# KiCad board tiddlywink.kicad_pcb
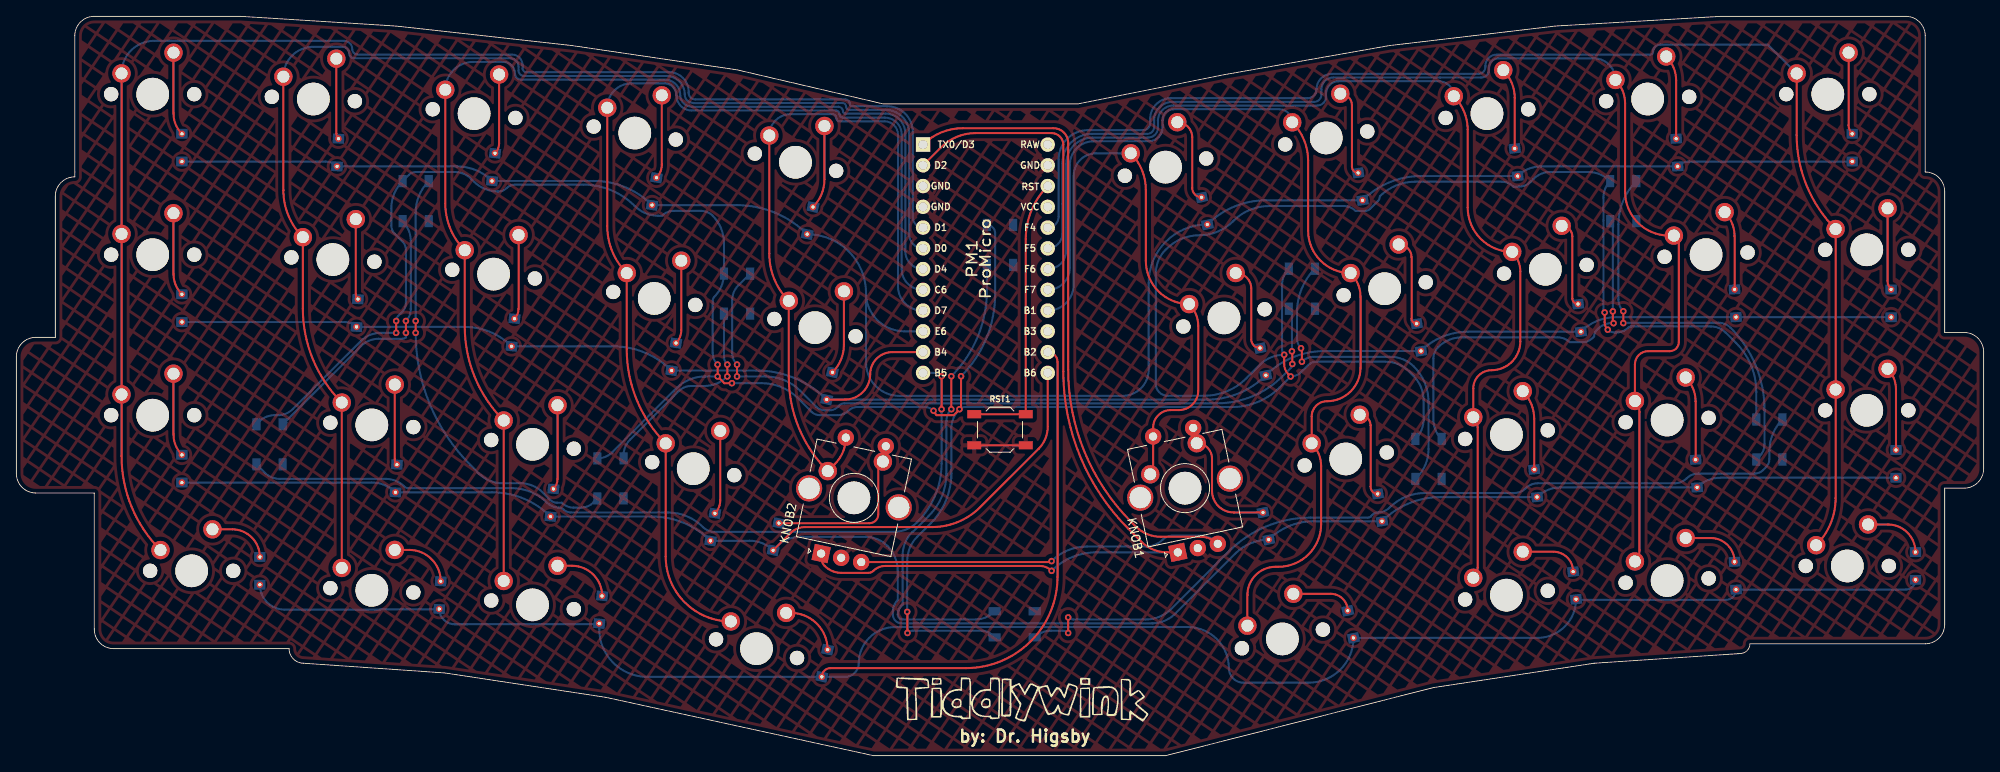
[diagram p0: board, top side]
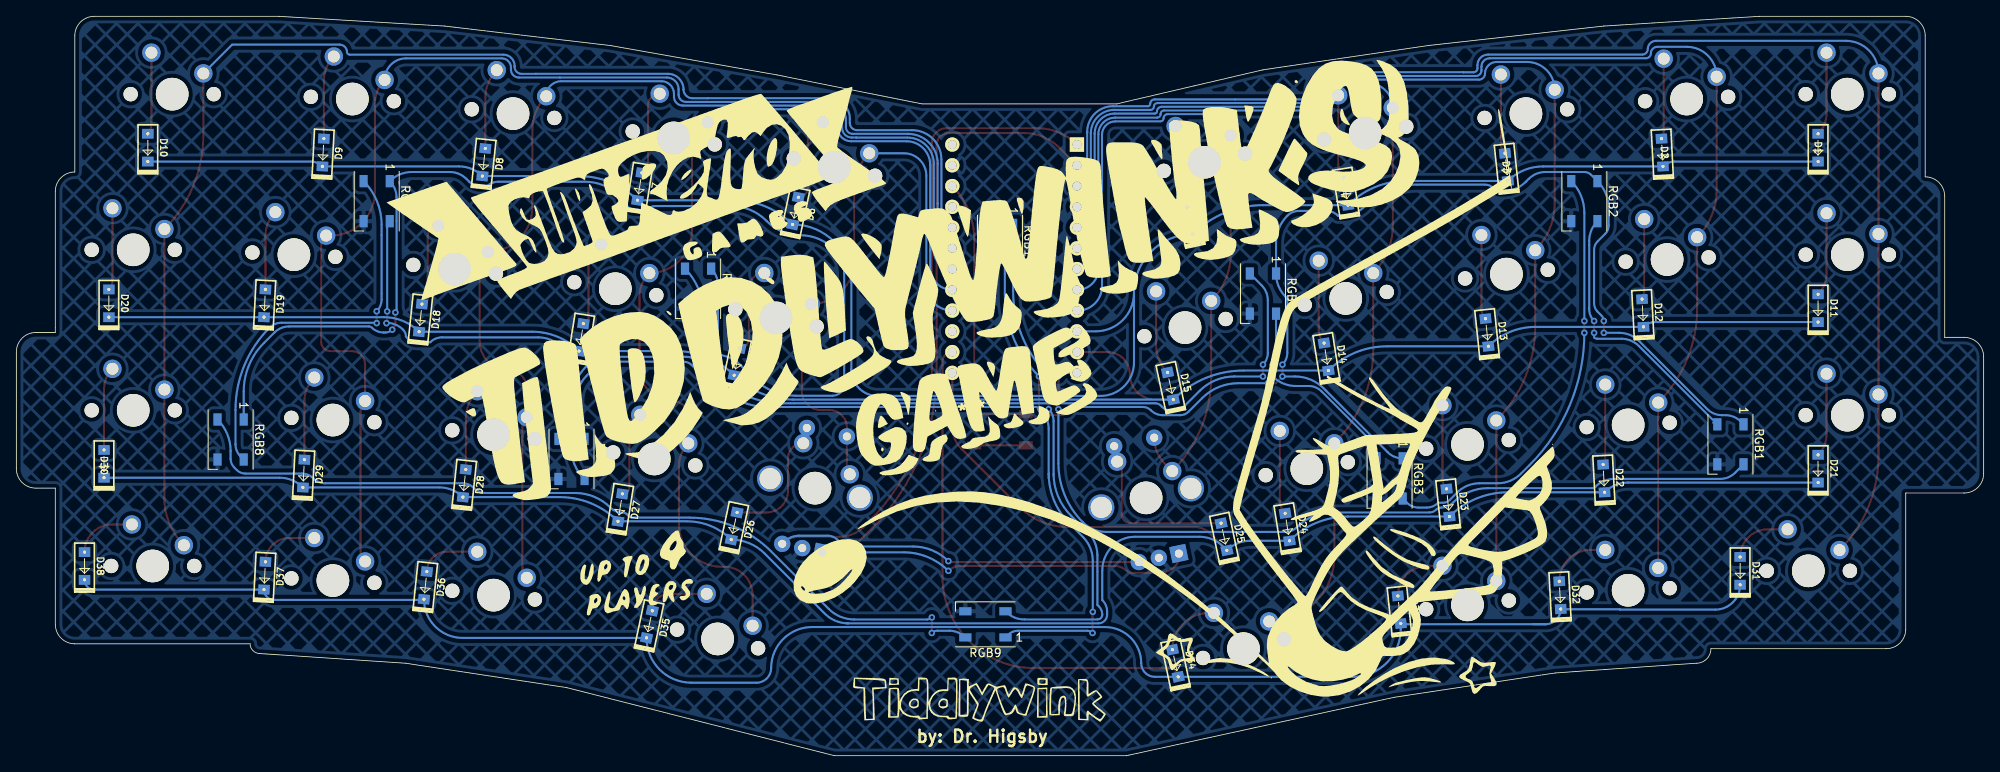
[diagram p1: board, bottom side, seen from below]

Outline 240.51 x 90.49 mm; copper layers: Top, Bottom. Coordinates in mm from the lower left corner of the outline.
Outline path: 0,48.82 0,34.53 arc(0.7,32.84) 2.38,32.15 9.53,32.15 9.53,15.48 arc(10.22,13.79) 11.91,13.1 33.34,13.1 arc(33.86,11.83) 35.12,11.31 52.39,10.12 72.03,7.14 104.78,0 140.49,0 173.24,8.33 192.88,11.31 210.74,12.5 arc(211.58,12.85) 211.93,13.69 233.36,13.69 arc(235.05,14.39) 235.74,16.07 235.74,32.74 238.13,32.74 arc(239.81,33.44) 240.51,35.12 240.51,49.41 arc(239.81,51.09) 238.13,51.79 235.74,51.79 235.74,69.06 arc(235.05,70.74) 233.36,71.44 233.36,88.11 arc(232.67,89.79) 230.98,90.49 208.36,90.49 188.12,89.3 167.88,86.92 147.64,83.34 129.78,79.77 105.97,79.77 88.11,83.94 67.87,86.92 46.43,89.3 27.38,90.49 9.53,90.49 arc(7.84,89.79) 7.14,88.11 7.14,70.84 arc(5.46,70.14) 4.76,68.46 4.76,51.2 2.38,51.2 arc(0.7,50.5) 0,48.82

## Placement (name value [footprint] x y rotation side)
   LOGO  [tiddlytext]  122.92 6.96 0 top
 #2  LOGO  [tiddlytext]  122.81 6.95 180 bottom
D1  D_Small  [D_SOD123_via]  20.24 74.41 90 bottom
D2  D_Small  [D_SOD123_via]  39.29 73.82 87 bottom
D3  D_Small  [D_SOD123_via]  58.34 72.03 84 bottom
D4  D_Small  [D_SOD123_via]  77.99 69.06 81 bottom
D5  D_Small  [D_SOD123_via]  97.04 65.48 78 bottom
D6  D_Small  [D_SOD123_via]  145.26 66.68 102 bottom
D7  D_Small  [D_SOD123_via]  164.31 69.65 99 bottom
D8  D_Small  [D_SOD123_via]  183.36 72.63 96 bottom
D9  D_Small  [D_SOD123_via]  203 73.82 93 bottom
D10  D_Small  [D_SOD123_via]  224.43 74.41 90 bottom
D11  D_Small  [D_SOD123_via]  20.24 54.77 90 bottom
D12  D_Small  [D_SOD123_via]  41.67 54.17 87 bottom
D13  D_Small  [D_SOD123_via]  60.72 51.79 84 bottom
D14  D_Small  [D_SOD123_via]  80.37 48.82 81 bottom
D15  D_Small  [D_SOD123_via]  99.42 45.24 78 bottom
D16  D_Small  [D_SOD123_via]  152.4 48.22 102 bottom
D17  D_Small  [D_SOD123_via]  171.45 51.2 99 bottom
D18  D_Small  [D_SOD123_via]  191.1 53.58 96 bottom
D19  D_Small  [D_SOD123_via]  210.15 55.36 93 bottom
D20  D_Small  [D_SOD123_via]  229.2 55.36 90 bottom
D21  D_Small  [D_SOD123_via]  20.24 35.12 90 bottom
D22  D_Small  [D_SOD123_via]  46.43 33.93 87 bottom
D23  D_Small  [D_SOD123_via]  65.48 30.96 84 bottom
D24  D_Small  [D_SOD123_via]  85.13 27.98 81 bottom
D25  D_Small  [D_SOD123_via]  92.87 26.79 78 bottom
D26  D_Small  [D_SOD123_via]  152.75 28.1 102 bottom
D27  D_Small  [D_SOD123_via]  166.69 30.36 99 bottom
D28  D_Small  [D_SOD123_via]  185.74 33.34 96 bottom
D29  D_Small  [D_SOD123_via]  205.38 34.53 93 bottom
D30  D_Small  [D_SOD123_via]  229.79 35.72 90 bottom
D31  D_Small  [D_SOD123_via]  29.77 22.62 90 bottom
D32  D_Small  [D_SOD123_via]  51.79 19.65 87 bottom
D33  D_Small  [D_SOD123_via]  71.44 17.86 84 bottom
D34  D_Small  [D_SOD123_via]  98.82 11.31 78 bottom
D35  D_Small  [D_SOD123_via]  163.12 16.07 102 bottom
D36  D_Small  [D_SOD123_via]  190.5 20.84 96 bottom
D37  D_Small  [D_SOD123_via]  210.15 22.03 93 bottom
D38  D_Small  [D_SOD123_via]  232.17 23.22 90 bottom
G***  LOGO  [tiddly2]  124.42 42.27 171 bottom
KNOB1  RotaryEncoder_Switch  [RotaryEncoder_Alps_EC11E-Switch_Vertical_H20mm_CircularMountingHoles]  142.88 32.74 102 top
KNOB2  RotaryEncoder_Switch  [RotaryEncoder_Alps_EC11E-Switch_Vertical_H20mm_CircularMountingHoles]  102.39 31.55 78 top
MX1  MX-NoLED  [MXOnly-1U-NoLED]  16.67 80.96 0 top
MX2  MX-NoLED  [MXOnly-1U-NoLED]  36.31 80.37 357 top
MX3  MX-NoLED  [MXOnly-1U-NoLED]  55.96 78.58 354 top
MX4  MX-NoLED  [MXOnly-1U-NoLED]  75.6 76.2 351 top
MX5  MX-NoLED  [MXOnly-1U-NoLED]  95.25 72.63 348 top
MX6  MX-NoLED  [MXOnly-1U-NoLED]  140.49 72.03 12 top
MX7  MX-NoLED  [MXOnly-1U-NoLED]  160.14 75.6 9 top
MX8  MX-NoLED  [MXOnly-1U-NoLED]  179.78 78.58 6 top
MX9  MX-NoLED  [MXOnly-1U-NoLED]  199.43 80.37 3 top
MX10  MX-NoLED  [MXOnly-1.25U-NoLED]  221.46 80.96 0 top
MX11  MX-NoLED  [MXOnly-1.25U-NoLED]  16.67 61.32 0 top
MX12  MX-NoLED  [MXOnly-1U-NoLED]  38.7 60.72 357 top
MX13  MX-NoLED  [MXOnly-1U-NoLED]  58.34 58.94 354 top
MX14  MX-NoLED  [MXOnly-1U-NoLED]  77.99 55.96 351 top
MX15  MX-NoLED  [MXOnly-1U-NoLED]  97.63 52.39 348 top
MX16  MX-NoLED  [MXOnly-1U-NoLED]  147.64 53.58 12 top
MX17  MX-NoLED  [MXOnly-1U-NoLED]  167.28 57.15 9 top
MX18  MX-NoLED  [MXOnly-1U-NoLED]  186.93 59.53 6 top
MX19  MX-NoLED  [MXOnly-1U-NoLED]  206.57 61.32 3 top
MX20  MX-NoLED  [MXOnly-1U-NoLED]  226.22 61.91 0 top
MX21  MX-NoLED  [MXOnly-1.75U-NoLED]  16.67 41.67 0 top
MX22  MX-NoLED  [MXOnly-1U-NoLED]  43.46 40.48 357 top
MX23  MX-NoLED  [MXOnly-1U-NoLED]  63.1 38.1 354 top
MX24  MX-NoLED  [MXOnly-1U-NoLED]  82.75 35.12 351 top
MX25  MX-NoLED  [MXOnly-1U-NoLED#2]  102.39 31.55 348 top
MX26  MX-NoLED  [MXOnly-1U-NoLED#2]  142.88 32.74 12 top
MX27  MX-NoLED  [MXOnly-1U-NoLED]  162.52 36.31 9 top
MX28  MX-NoLED  [MXOnly-1U-NoLED]  182.17 39.29 6 top
MX29  MX-NoLED  [MXOnly-1U-NoLED]  201.81 41.08 3 top
MX30  MX-NoLED  [MXOnly-1.5U-NoLED]  226.22 42.27 0 top
MX31  MX-NoLED  [MXOnly-1.25U-NoLED]  21.43 22.62 0 top
MX32  MX-NoLED  [MXOnly-1U-NoLED]  43.46 20.24 357 top
MX33  MX-NoLED  [MXOnly-1U-NoLED]  63.1 18.45 354 top
MX34  MX-NoLED  [MXOnly-1.75U-NoLED]  90.49 13.1 347 top
MX35  MX-NoLED  [MXOnly-1.75U-NoLED]  154.78 14.29 13 top
MX36  MX-NoLED  [MXOnly-1U-NoLED]  182.17 19.65 6 top
MX37  MX-NoLED  [MXOnly-1U-NoLED]  201.81 21.43 3 top
MX38  MX-NoLED  [MXOnly-1.25U-NoLED]  223.84 23.22 0 top
PM1  ProMicro  [ArduinoProMicro]  118.47 60.82 270 top
RGB1  WS2812B  [LED_WS2812B_PLCC4_5.0x5.0mm_P3.2mm]  30.96 38.1 270 bottom
RGB2  WS2812B  [LED_WS2812B_PLCC4_5.0x5.0mm_P3.2mm]  48.82 67.87 270 bottom
RGB3  WS2812B  [LED_WS2812B_PLCC4_5.0x5.0mm_P3.2mm]  72.63 33.93 270 bottom
RGB4  WS2812B  [LED_WS2812B_PLCC4_5.0x5.0mm_P3.2mm]  88.11 56.55 270 bottom
RGB5  WS2812B  [LED_WS2812B_PLCC4_5.0x5.0mm_P3.2mm]  157.16 57.15 270 bottom
RGB6  WS2812B  [LED_WS2812B_PLCC4_5.0x5.0mm_P3.2mm]  172.64 36.31 270 bottom
RGB7  WS2812B  [LED_WS2812B_PLCC4_5.0x5.0mm_P3.2mm]  196.45 67.87 270 bottom
RGB8  WS2812B  [LED_WS2812B_PLCC4_5.0x5.0mm_P3.2mm]  214.31 38.7 270 bottom
RGB9  WS2812B  [LED_WS2812B_PLCC4_5.0x5.0mm_P3.2mm]  122.04 16.07 0 bottom
RGB10  WS2812B  [LED_WS2812B_PLCC4_5.0x5.0mm_P3.2mm]  120.25 62.51 270 bottom
RST1  SW_Push  [SW_SPST_TL3342]  120.25 39.89 0 top

## Library data of the parts
PM1 = -: Field4: D4; Field5: F4; Field6: D1; Field7: B6; Field8: B2; Field9: GND; Field10: D0; Field11: F7; Field12: RAW; Field13: B4; Field14: B3; Field15: ST; Field16: F5; Field17: VCC; Field18: D2; Field19: D7; Field20: E6; Field21: F6; Field22: GND; Field23: C6; Field24: RST; Field25: GND; Field26: B1; Field27: B5; Field28: TX0/D3

## Footprints (pads in the part's own frame, mm; a bottom-side part is the same pattern mirrored in y, then rotated)
ArduinoProMicro
  rect 1.753x1.753 hole 1.092: 1(-13.97,-7.62)
  round 1.753 hole 1.092: 2(-11.43,-7.62) 3(-8.89,-7.62) 4(-6.35,-7.62) 5(-3.81,-7.62) 6(-1.27,-7.62) 7(1.27,-7.62) 8(3.81,-7.62) 9(6.35,-7.62) 10(8.89,-7.62) 11(11.43,-7.62) 12(13.97,-7.62) 13(13.97,7.62) 14(11.43,7.62) 15(8.89,7.62) 16(6.35,7.62) 17(3.81,7.62) 18(1.27,7.62) 19(-1.27,7.62) 20(-3.81,7.62) 21(-6.35,7.62) 22(-8.89,7.62) 23(-11.43,7.62) 24(-13.97,7.62)
D_SOD123_via
  round 0.8 hole 0.4: 1(-1.7,0) 2(1.7,0)
  rect 1.2x1.4 smd: 1(-1.7,0) 2(1.7,0)
LED_WS2812B_PLCC4_5.0x5.0mm_P3.2mm
  rect 1.5x1 smd: 1(-2.45,1.6) 2(-2.45,-1.6) 3(2.45,-1.6) 4(2.45,1.6)
MXOnly-1.5U-NoLED
  round 1.75 hole 1.75 unplated: (-5.08,0) (5.08,0)
  round 3.988 hole 3.988 unplated: (0,0)
  round 2.25 hole 1.47: 1(-3.81,2.54) 2(2.54,5.08)
MXOnly-1.25U-NoLED
  round 1.75 hole 1.75 unplated: (-5.08,0) (5.08,0)
  round 3.988 hole 3.988 unplated: (0,0)
  round 2.25 hole 1.47: 1(-3.81,2.54) 2(2.54,5.08)
MXOnly-1.75U-NoLED
  round 1.75 hole 1.75 unplated: (-5.08,0) (5.08,0)
  round 3.988 hole 3.988 unplated: (0,0)
  round 2.25 hole 1.47: 1(-3.81,2.54) 2(2.54,5.08)
MXOnly-1U-NoLED
  round 1.75 hole 1.75 unplated: (-5.08,0) (5.08,0)
  round 3.988 hole 3.988 unplated: (0,0)
  round 2.25 hole 1.47: 1(-3.81,2.54) 2(2.54,5.08)
MXOnly-1U-NoLED#2
  round 3.988 hole 3.988 unplated: (0,0)
  round 2.25 hole 1.47: 1(-3.81,2.54) 2(2.54,5.08)
RotaryEncoder_Alps_EC11E-Switch_Vertical_H20mm_CircularMountingHoles
  rect 2x2 hole 1: A(-7.5,2.5)
  round 2 hole 1: B(-7.5,-2.5) C(-7.5,0) S1(7,-2.5) S2(7,2.5)
  round 3.2 hole 2.6: MP(0,5.6) MP(0,-5.6)
SW_SPST_TL3342
  rect 1.7x1 smd: 1(-3.15,1.9) 1(3.15,1.9) 2(-3.15,-1.9) 2(3.15,-1.9)

## Nets
+5V: RGB1.1 RGB2.1 RGB3.1 RGB4.1 RGB5.1 RGB6.1 RGB7.1 RGB8.1 RGB9.1 RGB10.1
GND: KNOB1.C KNOB2.C PM1.3 PM1.4 PM1.23 RGB1.3 RGB2.3 RGB3.3 RGB4.3 RGB5.3 RGB6.3 RGB7.3 RGB8.3 RGB9.3 RGB10.3 RST1.2
VCC: PM1.21
c1: MX1.1 MX11.1 MX21.1 MX31.1 PM1.5
c2: MX2.1 MX12.1 MX22.1 MX32.1 PM1.6
c3: MX3.1 MX13.1 MX23.1 MX33.1 PM1.7
c4: MX4.1 MX14.1 MX24.1 MX34.1 PM1.8
c5: KNOB2.S2 MX5.1 MX15.1 MX25.1 PM1.9
c6: KNOB1.S2 MX6.1 MX16.1 MX26.1 PM1.16
c7: MX7.1 MX17.1 MX27.1 MX35.1 PM1.17
c8: MX8.1 MX18.1 MX28.1 MX36.1 PM1.18
c9: MX9.1 MX19.1 MX29.1 MX37.1 PM1.19
c10: MX10.1 MX20.1 MX30.1 MX38.1 PM1.20
PM1: KNOB1.A KNOB2.A PM1.2
PM2: KNOB1.B KNOB2.B PM1.1
r1: D1.1 D2.1 D3.1 D4.1 D5.1 D6.1 D7.1 D8.1 D9.1 D10.1 PM1.10
r2: D11.1 D12.1 D13.1 D14.1 D15.1 D16.1 D17.1 D18.1 D19.1 D20.1 PM1.11
r3: D21.1 D22.1 D23.1 D24.1 D25.1 D26.1 D27.1 D28.1 D29.1 D30.1 PM1.13
r4: D31.1 D32.1 D33.1 D34.1 D35.1 D36.1 D37.1 D38.1 PM1.14
RGB: PM1.12 RGB1.4
RST: PM1.22 RST1.1
Net-(D1-Pad2): D1.2 MX1.2
Net-(D2-Pad2): D2.2 MX2.2
Net-(D3-Pad2): D3.2 MX3.2
Net-(D4-Pad2): D4.2 MX4.2
Net-(D5-Pad2): D5.2 MX5.2
Net-(D6-Pad2): D6.2 MX6.2
Net-(D7-Pad2): D7.2 MX7.2
Net-(D8-Pad2): D8.2 MX8.2
Net-(D9-Pad2): D9.2 MX9.2
Net-(D10-Pad2): D10.2 MX10.2
Net-(D11-Pad2): D11.2 MX11.2
Net-(D12-Pad2): D12.2 MX12.2
Net-(D13-Pad2): D13.2 MX13.2
Net-(D14-Pad2): D14.2 MX14.2
Net-(D15-Pad2): D15.2 MX15.2
Net-(D16-Pad2): D16.2 MX16.2
Net-(D17-Pad2): D17.2 MX17.2
Net-(D18-Pad2): D18.2 MX18.2
Net-(D19-Pad2): D19.2 MX19.2
Net-(D20-Pad2): D20.2 MX20.2
Net-(D21-Pad2): D21.2 MX21.2
Net-(D22-Pad2): D22.2 MX22.2
Net-(D23-Pad2): D23.2 MX23.2
Net-(D24-Pad2): D24.2 MX24.2
Net-(D25-Pad2): D25.2 KNOB2.S1 MX25.2
Net-(D26-Pad2): D26.2 KNOB1.S1 MX26.2
Net-(D27-Pad2): D27.2 MX27.2
Net-(D28-Pad2): D28.2 MX28.2
Net-(D29-Pad2): D29.2 MX29.2
Net-(D30-Pad2): D30.2 MX30.2
Net-(D32-Pad2): D32.2 MX32.2
Net-(D33-Pad2): D33.2 MX33.2
Net-(D34-Pad2): D34.2 MX34.2
Net-(D35-Pad2): D35.2 MX35.2
Net-(D36-Pad2): D36.2 MX36.2
Net-(D37-Pad2): D37.2 MX37.2
Net-(MX31-Pad2): D31.2 MX31.2
Net-(MX38-Pad2): D38.2 MX38.2
Net-(RGB1-Pad2): RGB1.2 RGB2.4
Net-(RGB2-Pad2): RGB2.2 RGB3.4
Net-(RGB3-Pad2): RGB3.2 RGB4.4
Net-(RGB4-Pad2): RGB4.2 RGB5.4
Net-(RGB5-Pad2): RGB5.2 RGB6.4
Net-(RGB6-Pad2): RGB6.2 RGB7.4
Net-(RGB7-Pad2): RGB7.2 RGB8.4
Net-(RGB8-Pad2): RGB8.2 RGB9.4
Net-(RGB10-Pad4): RGB9.2 RGB10.4

Pads without a net: KNOB1 MP; KNOB2 MP; PM1 15 24; RGB10 2

## Via types
v1: diameter 0.8, hole 0.4, Top to Bottom, 38 vias

## Routing (per net, layer and track width the routed paths; a pad name or vN(x,y) marks a point on that pad's centre or on a via; arc(x,y) is an arc through that point)
+5V: length 438.5
  Top w0.25: v1(87.48,45.59) 86.55,45.59 v1(85.73,46.41) v1(85.73,47.86) ; v1(155.78,46.41) 155.5,46.7 arc(155.13,47.26) 155,47.91 v1(155,49.07) ; v1(46.43,51.75) v1(46.43,53.2) ; v1(112.13,42.22) 112.03,42.22 arc(111.97,42.23) 111.92,42.27 112.51,41.68 114.6,41.68 115.3,42.38 v1(115.3,42.4) arc(115.44,42.61) 115.49,42.86 v1(115.49,46.43) ; v1(194.17,54.25) 194.17,53.06 arc(194.27,52.56) v1(194.55,52.14) ; v1(108.94,15.02) 108.94,17.53 arc(108.93,17.57) v1(108.91,17.61)
  Bottom w0.25: 114.3,34.53 114.3,33.93 ; 114.3,34.53 114.3,39.99 arc(114.56,41.29) v1(115.3,42.4) arc(115.6,42.6) 115.96,42.68 142.69,42.68 ; 114.3,34.53 arc(113.64,31.23) 111.77,28.43 110.13,26.79 arc(109.23,25.43) 108.91,23.84 v1(108.91,17.61) ; v1(46.43,51.75) 44.54,51.75 arc(43.23,51.49) 42.12,50.75 33.79,42.41 arc(32.96,41.86) 31.99,41.67 31.55,41.67 arc(30.56,41.47) 29.72,40.91 RGB1.1 ; 142.69,42.68 143.06,42.68 ; 142.69,42.68 142.69,42.67 148.65,42.67 arc(151.79,43.3) 154.44,45.07 v1(155.78,46.41) arc(156.49,46.55) 157.08,46.95 157.93,47.8 arc(158.4,48.11) 158.95,48.22 167.39,48.22 arc(168.94,47.91) 170.26,47.03 170.78,46.51 arc(171.72,45.11) 172.05,43.46 172.05,41.19 arc(171.78,39.88) RGB6.1 ; RGB8.1 212.71,44.55 arc(212.07,47.77) 210.25,50.5 208.95,51.79 arc(208.13,52.34) 207.17,52.53 197.4,52.53 arc(197.21,52.5) 197.05,52.39 arc(196.39,51.95) 195.61,51.79 195.38,51.79 arc(194.93,51.88) v1(194.55,52.14) ; 160.73,67.27 162.27,67.27 arc(163.05,67.12) 163.71,66.68 164.9,66.68 arc(165.22,66.74) 165.5,66.92 166.44,67.87 arc(166.62,68.14) 166.69,68.46 arc(168.67,69.78) 171,70.25 181.57,70.25 arc(182.35,70.09) 183.01,69.65 183.71,69.65 arc(184.48,69.81) 185.14,70.25 185.49,70.6 arc(186.42,71.22) 187.52,71.44 192.14,71.44 arc(193.61,71.15) RGB7.1 arc(194.24,69.4) 194.03,68.33 194.03,54.59 arc(194.07,54.4) v1(194.17,54.25) ; 160.73,67.27 159.79,67.27 ; 160.73,67.27 153.14,67.27 arc(150.81,66.81) 148.83,65.48 148.73,65.38 arc(146.86,64.14) 144.66,63.7 arc(142.46,63.26) 140.6,62.01 140.49,61.91 arc(139.61,60.59) 139.3,59.04 139.3,45.49 arc(139.72,44.47) 140.74,44.05 145.26,44.05 arc(148.01,44.6) 150.34,46.16 152.01,47.83 arc(153.38,48.75) v1(155,49.07) arc(154.8,49.35) 154.74,49.69 154.74,57.61 arc(154.95,58.69) RGB5.1 ; v1(85.73,46.41) 84.2,46.41 arc(82.29,46.03) 80.66,44.95 72.86,37.14 arc(72.02,36.58) RGB3.1 ; v1(87.48,45.59) 91.13,45.59 arc(93.52,45.11) 95.55,43.76 97.21,42.09 arc(97.68,41.78) 98.23,41.67 100.36,41.67 arc(101.14,41.83) 101.8,42.27 arc(102.25,42.57) 102.78,42.68 111.03,42.68 arc(111.62,42.56) v1(112.13,42.22) ; RGB9.1 119.28,14.79 arc(118.72,15.16) 118.06,15.29 109.61,15.29 arc(109.25,15.22) v1(108.94,15.02) ; RGB10.1 arc(119.36,64.66) 119.66,63.95 119.66,56.49 arc(118.57,51.05) v1(115.49,46.43) ; v1(46.43,53.2) arc(46.5,53.55) 46.7,53.85 47.2,54.35 arc(47.52,54.81) 47.63,55.36 47.63,61.91 arc(47.52,62.46) 47.2,62.93 46.26,63.87 arc(45.95,64.34) 45.84,64.89 45.84,66.99 arc(46.2,68.79) RGB2.1 48,71.1 arc(48.37,71.35) 48.82,71.44 53.58,71.44 arc(54.68,71.22) 55.61,70.6 55.96,70.25 arc(57.28,69.37) 58.83,69.06 58.94,69.06 arc(59.49,69.17) 59.95,69.48 arc(60.41,69.78) 60.96,69.89 69.27,69.89 arc(72.7,69.21) 75.6,67.27 arc(76.92,66.39) 78.48,66.08 78.93,66.08 arc(79.59,66.52) 80.37,66.68 83.69,66.68 arc(84.47,66.52) 85.13,66.08 arc(86.15,64.56) 86.51,62.76 RGB4.1 arc(86.2,57.46) 85.33,56.16 arc(85.18,55.94) 85.13,55.68 85.13,49.3 arc(85.28,48.52) v1(85.73,47.86)
GND: length 6.3
  Top w0.25: RST1.2 RST1.2
c1: length 177.7
  Top w0.25: MX1.1 MX11.1 MX21.1 12.86,36.66 arc(14.1,30.44) MX31.1
  Bottom w0.25: PM1.5 arc(109.97,65) 109.6,65.88 109.6,76.27 arc(109.6,76.28) 109.59,76.28 109.59,76.35 arc(108.67,78.57) 106.45,79.49 102.17,79.49 arc(101.97,79.57) 101.89,79.77 arc(101.73,80.16) 101.33,80.33 91.52,80.33 91.51,80.32 83,80.32 arc(82.43,80.55) 82.19,81.13 82.19,81.25 arc(81.49,82.95) 79.78,83.66 63.6,83.66 arc(63.59,83.65) 63.58,83.64 62.36,83.64 arc(62.02,83.78) 61.88,84.12 61.88,84.52 arc(61.5,85.43) 60.59,85.81 41.74,85.81 arc(41.26,86.01) 41.06,86.49 arc(40.77,87.2) 40.06,87.49 16.85,87.49 arc(14.03,86.32) MX1.1
c2: length 161.9
  Top w0.25: MX32.1 MX22.1 arc(36.26,48.49) 35.02,54.71 MX12.1 arc(33.26,66.1) 32.64,69.21 MX2.1
  Bottom w0.25: 106.26,79.04 101.84,79.04 arc(101.56,79.15) 101.44,79.44 101.44,79.44 arc(101.31,79.75) 101,79.88 92.99,79.88 92.98,79.87 82.76,79.87 arc(82.73,79.88) 82.73,79.9 arc(82.01,80.19) 81.71,80.91 81.71,80.93 arc(81.05,82.53) 79.45,83.19 63.62,83.19 62.08,83.19 arc(61.59,83.39) 61.39,83.88 61.39,84.35 arc(61.1,85.06) 60.38,85.36 41.29,85.36 arc(40.86,85.54) 40.68,85.97 arc(40.45,86.53) 39.89,86.76 36.3,86.76 arc(33.71,85.69) MX2.1 ; PM1.6 arc(109.65,62.59) 109.15,63.79 109.15,76.16 arc(108.3,78.2) 106.26,79.05
c3: length 143
  Top w0.25: MX3.1 52.44,67.61 arc(53.05,64.5) MX13.1 54.82,52.52 arc(56.05,46.3) MX23.1 MX33.1
  Bottom w0.25: PM1.7 arc(109.32,60.19) 108.68,61.72 108.68,76.14 arc(107.96,77.87) 106.23,78.59 101.32,78.59 arc(101.14,78.66) 101.06,78.85 arc(100.89,79.25) 100.49,79.42 82.6,79.42 arc(81.58,79.84) 81.16,80.86 arc(80.61,82.19) 79.28,82.74 75.09,82.74 75.03,82.74 61.7,82.74 arc(61.18,82.95) 60.96,83.47 arc(60.54,84.49) 59.53,84.91 55.84,84.91 arc(53.43,83.91) MX3.1
c4: length 131.1
  Top w0.25: MX4.1 72.24,64.81 arc(72.86,61.7) MX14.1 74.62,49.73 arc(75.86,43.5) MX24.1 79.38,24.39 arc(81.72,18.76) MX34.1
  Bottom w0.25: PM1.8 110.79,57.01 arc(108.98,57.77) 108.23,59.58 108.23,76.04 arc(107.63,77.49) 106.18,78.09 101.05,78.09 arc(100.74,78.22) 100.61,78.53 100.61,78.56 arc(100.49,78.85) 100.2,78.97 82.55,78.97 arc(81.24,79.51) 80.7,80.82 arc(80.27,81.86) 79.23,82.29 75.22,82.29 arc(73.11,81.41) MX4.1
c5: length 89.8
  Top w0.25: MX5.1 92.05,61.41 arc(92.67,58.3) MX15.1 94.43,46.33 arc(95.67,40.1) MX25.1 100.07,35.71 arc(101.06,37.18) KNOB2.S2
  Bottom w0.25: PM1.9 110.76,54.47 arc(108.66,55.35) 107.78,57.46 107.78,76 arc(107.3,77.16) 106.14,77.64 100.63,77.64 arc(100.36,77.75) 100.25,78.02 arc(100.1,78.37) 99.75,78.52 94.67,78.52 arc(92.82,77.75) MX5.1
c6: length 73.7
  Top w0.25: MX26.1 arc(138.87,34.54) 138.97,34.79 KNOB1.S2 138.97,40.15 arc(139.6,41.67) 141.12,42.3 142.11,42.3 arc(143.79,42.99) 144.49,44.68 144.49,52.59 arc(144.2,54.04) MX16.1 arc(139.63,56.82) 138.08,60.57 138.08,69.28 arc(137.6,71.68) MX6.1
  Bottom w0.25: MX6.1 132,73.73 arc(130.06,72.92) 129.26,70.99 129.26,57.65 arc(128.33,55.4) PM1.16
c7: length 123.6
  Top w0.25: MX35.1 150.5,19.66 arc(151.51,22.11) 153.95,23.12 154.29,23.12 arc(157.98,24.65) 159.51,28.34 159.51,35.45 arc(159.21,36.95) MX27.1 158.36,41.53 arc(158.9,42.83) 160.21,43.38 arc(163.12,44.58) 164.33,47.5 164.33,56.14 arc(164.02,57.72) MX17.1 arc(159.44,60.59) 157.92,64.26 157.92,72.83 arc(157.42,75.37) MX7.1
  Bottom w0.25: MX7.1 arc(155.51,78.65) 154.38,79.12 141.46,79.12 arc(140.51,78.73) 140.12,77.78 140.12,76.88 arc(139.63,75.69) 138.44,75.2 131.69,75.2 arc(129.64,74.35) 128.79,72.3 128.79,61.87 128.79,59.72 arc(128,57.81) PM1.17
c8: length 135.2
  Top w0.25: MX36.1 arc(178.51,22.37) 178.65,23.08 178.65,40.11 arc(178.51,40.82) MX28.1 178.11,44.94 arc(178.77,46.52) 180.35,47.18 arc(182.83,48.21) 183.86,50.69 183.86,59.27 arc(183.6,60.57) MX18.1 arc(179.03,63.25) 177.43,67.1 177.43,76.6 arc(176.99,78.82) MX8.1
  Bottom w0.25: MX8.1 arc(175.19,82.01) 173.89,82.55 161.65,82.55 arc(160.56,82.1) 160.11,81.01 160.11,80.65 arc(159.79,79.88) 159.03,79.57 141.41,79.57 arc(140.1,79.02) 139.56,77.72 139.56,76.85 arc(139.21,76) 138.37,75.65 137.82,75.65 137.81,75.65 131.57,75.65 arc(129.29,74.7) 128.34,72.42 128.34,61.81 arc(127.68,60.21) PM1.18
c9: length 156.4
  Top w0.25: MX9.1 arc(196.36,81.4) 196.67,79.86 196.67,69.02 arc(198.24,65.23) 202.03,63.65 MX19.1 arc(203.06,63.48) 203.24,63.05 203.24,50.62 arc(202.92,49.83) 202.13,49.51 199.49,49.51 arc(198.35,49.03) 197.87,47.89 MX29.1 arc(198.29,42.8) 198.43,42.07 198.43,25.12 arc(198.29,24.39) MX37.1
  Bottom w0.25: MX9.1 arc(194.72,84.57) 192.85,85.35 181.18,85.35 arc(180.37,85.02) 180.04,84.21 180.04,83.97 arc(179.76,83.28) 179.07,83 174.06,83 174.04,83 160.99,83 arc(159.97,82.58) 159.54,81.56 159.54,80.9 arc(159.29,80.27) 158.66,80.02 141.33,80.02 arc(139.75,79.36) 139.09,77.78 139.09,76.93 arc(138.85,76.35) 138.27,76.11 131.51,76.11 arc(128.94,75.04) 127.87,72.47 127.87,67.57 127.87,63.88 arc(127.35,62.62) PM1.19
c10: length 168.7
  Top w0.25: MX10.1 217.65,75.95 arc(218.88,69.73) MX20.1 MX30.1 222.41,31.51 arc(221.79,28.39) MX38.1
  Bottom w0.25: MX10.1 214.13,87.02 200.99,87.02 arc(200.35,86.76) 200.09,86.13 arc(199.99,85.89) 199.76,85.8 180.96,85.8 arc(179.99,85.4) 179.59,84.43 179.59,84.3 arc(179.34,83.7) 178.74,83.45 177.01,83.45 177.01,83.45 160.84,83.45 arc(159.5,82.9) 158.95,81.56 arc(158.63,80.79) 157.86,80.47 155.98,80.47 155.97,80.47 141.15,80.47 arc(139.35,79.73) 138.61,77.94 138.61,77.43 arc(138.36,76.81) 137.74,76.56 131,76.56 arc(128.47,75.51) 127.42,72.98 127.42,65.97 arc(127.03,65.03) PM1.20
PM1: length 121.5
  Top w0.25: KNOB1.A 140.67,24.89 arc(138.97,25.23) 137.52,26.19 135.99,27.72 arc(130.07,36.58) 127.99,47.03 127.99,74.76 arc(127.57,75.78) 126.56,76.2 117.28,76.2 arc(114.98,75.74) 113.04,74.44 PM1.2 ; KNOB2.A 98.39,24.26 arc(98.5,23.7) 98.82,23.22 98.83,23.21 arc(99.76,22.59) 100.86,22.37 104.17,22.37 arc(104.5,22.44) 104.78,22.62 arc(105.43,23.06) 106.21,23.22 125.13,23.22 arc(125.9,23.06) v1(126.56,22.62)
  Bottom w0.25: KNOB1.A 132.03,24.89 arc(129.07,24.3) v1(126.56,22.62)
PM2: length 124.1
  Top w0.25: KNOB2.B 126.28,23.7 arc(126.43,23.73) v1(126.56,23.81) ; PM1.1 arc(113.06,76.28) 115.68,76.8 126.8,76.8 arc(128.06,76.27) 128.59,75.01 128.59,47.26 arc(130.6,37.15) 136.33,28.58 136.85,28.05 arc(138.25,27.12) 139.9,26.79 144.8,26.79 arc(145.92,26.56) KNOB1.B
  Bottom w0.25: KNOB1.B 146.64,26.16 arc(145.8,26.73) 144.8,26.93 141.32,26.93 arc(140.68,26.8) 140.15,26.44 arc(139.21,25.82) 138.11,25.6 130.88,25.6 arc(128.54,25.13) v1(126.56,23.81) ; 147.04,26.19 146.87,26.02
r1: length 250.3
  Bottom w0.25: D1.1 37.77,72.71 arc(38.54,72.56) D2.1 53.87,72.12 arc(56.19,71.66) D3.1 70.56,70.34 arc(74.44,69.57) D4.1 88.1,67.38 arc(92.74,66.45) D5.1 ; PM1.10 108.57,51.93 arc(105.25,53.31) 103.87,56.63 ; 103.87,56.63 103.87,48.12 arc(105.07,45.23) 107.96,44.03 135.21,44.03 arc(137.49,44.97) 138.43,47.25 138.43,57.85 arc(140.53,62.91) 145.6,65.01 D6.1 arc(148.89,67.2) 152.76,67.97 D7.1 arc(167.86,70.17) 171.73,70.94 D8.1 arc(184.85,71.81) 186.39,72.12 D9.1 arc(203.75,72.56) 204.52,72.71 D10.1 ; 103.87,56.63 arc(101.77,61.72) D5.1 ; D5.1 97.08,63.42
r2: length 229.3
  Top w0.25: D15.1 101.29,43.58 arc(103.47,44.49) 104.38,46.68 arc(105.18,48.6) 107.1,49.39 PM1.11
  Bottom w0.25: D20.1 210.24,53.66 arc(210.24,53.66) D19.1 195.57,53.67 arc(193.24,53.2) D18.1 177.44,51.89 arc(174.34,51.27) D17.1 159.9,49.52 arc(156.03,48.75) D16.1 arc(149.46,44.35) 145.57,43.58 D15.1 arc(95.13,46.21) 90.48,47.14 D14.1 arc(76.82,49.33) 72.94,50.1 D13.1 arc(57.91,51.86) 54.81,52.48 D12.1 arc(40.93,52.91) 40.15,53.07 D11.1
r3: length 274.4
  Top w0.25: D25.1 94.61,27.22 arc(95.45,27.78) 96.44,27.98 111.96,27.98 arc(115.13,28.61) 117.82,30.41 124.97,37.55 arc(125.8,38.79) 126.09,40.25 PM1.13 arc(126.15,46.83) 126.17,46.77
  Bottom w0.25: D21.1 43.48,33.42 arc(45.03,33.11) D22.1 58.14,32.24 arc(62.02,31.46) D23.1 77.71,29.27 arc(81.58,28.5) D24.1 89.68,26.3 arc(91.21,26) D25.1 93,25.61 arc(94.31,26.48) 95.85,26.79 103.79,26.79 arc(105.25,26.5) 106.49,25.67 arc(107.42,24.27) 107.75,22.62 107.75,19.05 arc(107.31,18.39) 107.16,17.61 107.16,17.26 arc(107.47,16.51) 108.22,16.2 138.83,16.2 ; 138.83,16.2 139.06,16.2 ; 138.83,16.2 arc(140.36,16.5) 141.65,17.36 149.04,24.76 arc(150.91,26) D26.1 arc(155.59,28.1) 158.52,28.68 D27.1 arc(170.24,30.88) 174.11,31.65 D28.1 arc(187.23,32.52) 188.77,32.83 D29.1 arc(206.79,33.71) 208.34,34.02 D30.1
r4: length 289.4
  Top w0.25: D34.1 arc(98.78,10.4) 99.54,10.72 116.09,10.72 arc(124.01,14) 127.29,21.92 127.29,48.19 arc(126.94,49.04) PM1.14
  Bottom w0.25: 55.08,16.09 71.18,16.09 D33.1 71.26,15.5 arc(72.97,11.36) 77.11,9.65 D34.1 101.33,9.65 arc(102.5,10.14) 102.99,11.31 arc(104.29,14.44) 107.42,15.74 138.88,15.74 139.31,15.74 143.2,15.74 arc(146.76,14.27) 148.23,10.72 arc(148.76,9.45) 150.02,8.93 157.99,8.93 arc(161.86,10.54) D35.1 185.94,14.41 arc(189.29,15.8) D36.1 190.76,19.06 208.97,19.06 arc(209.86,19.43) D37.1 230.98,20.33 arc(231.82,20.68) D38.1 ; 55.08,16.09 53.5,16.09 ; 55.08,16.09 53.56,16.09 arc(52.25,16.63) D32.1 ; 51.67,17.91 44.48,17.91 44.44,17.87 32.82,17.87 arc(30.66,18.77) D31.1
RGB: length 104.5
  Top w0.25: v1(113.11,42.4) v1(113.11,46.43)
  Bottom w0.25: PM1.12 112.1,46.85 arc(112.64,46.75) v1(113.11,46.43) ; RGB1.4 30.37,34.63 arc(31.22,34.07) 32.21,33.87 45.18,33.87 arc(46.39,33.63) 47.42,32.95 arc(47.65,32.8) 47.91,32.74 60.58,32.74 arc(62.91,32.28) 64.89,30.96 arc(65.55,30.52) 66.33,30.36 arc(66.65,30.3) 66.92,30.11 arc(67.31,29.86) 67.76,29.77 79.63,29.77 arc(81.96,29.3) 83.94,27.98 arc(84.6,27.54) 85.38,27.38 107.26,27.38 arc(108.81,27.69) 110.13,28.58 arc(112.34,31.87) 113.11,35.76 v1(113.11,42.4)
RST: length 35
  Top w0.25: RST1.1 RST1.1 123.4,63.23 arc(124.1,66.74) PM1.22
  Bottom w0.25: 126.04,69.77 arc(126.07,69.75) PM1.22
Net-(D1-Pad2): length 10.2
  Top w0.25: MX1.2 19.21,78.61 arc(19.48,77.26) D1.2
Net-(D2-Pad2): length 9.9
  Top w0.25: MX2.2 39.12,76.15 arc(39.18,75.81) D2.2
Net-(D3-Pad2): length 9.8
  Top w0.25: MX3.2 59.02,74.93 arc(58.89,74.28) D3.2
Net-(D4-Pad2): length 10.3
  Top w0.25: MX4.2 78.91,72.32 arc(78.74,71.46) D4.2
Net-(D5-Pad2): length 10.3
  Top w0.25: MX5.2 98.79,70.53 arc(98.43,68.7) D5.2
Net-(D6-Pad2): length 10.9
  Top w0.25: D6.2 arc(144.09,68.68) 143.75,69.49 143.75,75.7 arc(143.22,76.99) MX6.2
Net-(D7-Pad2): length 10.9
  Top w0.25: MX7.2 arc(162.86,80.6) 163.28,79.59 163.28,72.09 arc(163.5,71.55) D7.2
Net-(D8-Pad2): length 10
  Top w0.25: D8.2 183.18,80.52 arc(182.82,82.35) MX8.2
Net-(D9-Pad2): length 10.4
  Top w0.25: D9.2 202.91,82.65 arc(202.6,84.23) MX9.2
Net-(D10-Pad2): length 10
  Top w0.25: MX10.2 224,77.17 arc(224.11,76.6) D10.2
Net-(D11-Pad2): length 10.2
  Top w0.25: MX11.2 19.21,58.96 arc(19.48,57.61) D11.2
Net-(D12-Pad2): length 9.9
  Top w0.25: MX12.2 41.5,56.51 arc(41.57,56.16) D12.2
Net-(D13-Pad2): length 10.4
  Top w0.25: MX13.2 61.4,54.69 arc(61.27,54.03) D13.2
Net-(D14-Pad2): length 10.3
  Top w0.25: MX14.2 81.29,52.08 arc(81.12,51.22) D14.2
Net-(D15-Pad2): length 10.3
  Top w0.25: MX15.2 101.17,50.29 arc(100.81,48.46) D15.2
Net-(D16-Pad2): length 10.9
  Top w0.25: MX16.2 arc(150.41,58.52) 150.97,57.17 150.97,50.96 arc(151.29,50.2) D16.2
Net-(D17-Pad2): length 10.9
  Top w0.25: MX17.2 arc(170.11,62.1) 170.57,60.99 170.57,53.49 arc(170.75,53.06) D17.2
Net-(D18-Pad2): length 10.7
  Top w0.25: MX18.2 arc(189.84,64.47) 190.22,63.55 190.22,55.97 arc(190.43,55.47) D18.2
Net-(D19-Pad2): length 9.8
  Top w0.25: D19.2 210.06,63.6 arc(209.74,65.18) MX19.2
Net-(D20-Pad2): length 10
  Top w0.25: MX20.2 228.76,58.12 arc(228.87,57.55) D20.2
Net-(D21-Pad2): length 10.2
  Top w0.25: MX21.2 19.21,39.31 arc(19.48,37.97) D21.2
Net-(D22-Pad2): length 9.9
  Top w0.25: MX22.2 46.26,36.27 arc(46.33,35.92) D22.2
Net-(D23-Pad2): length 10.4
  Top w0.25: MX23.2 66.16,33.85 arc(66.03,33.2) D23.2
Net-(D24-Pad2): length 10.3
  Top w0.25: MX24.2 86.05,31.24 arc(85.88,30.39) D24.2
Net-(D25-Pad2): length 21.6
  Top w0.25: KNOB2.S1 106.29,36.35 arc(106.19,36.1) MX25.2 arc(105.54,35.83) 105.37,35.43 105.37,29.53 arc(105.05,28.77) 104.29,28.45 D25.2
Net-(D26-Pad2): length 16.7
  Top w0.25: KNOB1.S1 143.87,38.68 MX26.2 arc(145.62,37.69) 146.17,36.37 146.17,32.42 arc(146.95,30.54) 148.83,29.77 D26.2
Net-(D27-Pad2): length 10.9
  Top w0.25: MX27.2 arc(165.17,41.34) 165.56,40.4 165.56,32.9 arc(165.81,32.29) D27.2
Net-(D28-Pad2): length 10
  Top w0.25: D28.2 185.56,41.23 arc(185.2,43.06) MX28.2
Net-(D29-Pad2): length 10.4
  Top w0.25: D29.2 205.29,43.36 arc(204.98,44.94) MX29.2
Net-(D30-Pad2): length 10.2
  Top w0.25: D30.2 229.79,44.86 arc(229.52,46.2) MX30.2
Net-(D32-Pad2): length 7.8
  Top w0.25: MX32.2 48.04,25.18 arc(50.76,24.06) D32.2
Net-(D33-Pad2): length 7.6
  Top w0.25: MX33.2 67.92,23.24 arc(70.53,22.16) D33.2
Net-(D34-Pad2): length 7.6
  Top w0.25: MX34.2 94.67,17.48 arc(97.86,16.16) D34.2
Net-(D35-Pad2): length 7.8
  Top w0.25: MX35.2 160.69,19.81 arc(162.16,19.2) D35.2
Net-(D36-Pad2): length 7.6
  Top w0.25: MX36.2 187.89,24.96 arc(189.61,24.25) D36.2
Net-(D37-Pad2): length 7.6
  Top w0.25: MX37.2 207.14,26.64 arc(209.2,25.78) D37.2
Net-(MX31-Pad2): length 7.7
  Top w0.25: MX31.2 26.39,27.7 arc(28.78,26.71) D31.2
Net-(MX38-Pad2): length 7.7
  Top w0.25: MX38.2 228.79,28.3 arc(231.18,27.31) D38.2
Net-(RGB1-Pad2): length 34.5
  Top w0.25: v1(47.63,53.2) v1(47.63,51.75)
  Bottom w0.25: v1(47.63,51.75) 47.63,51.2 arc(47.44,51.07) 47.21,51.03 44.3,51.03 arc(43.13,50.79) 42.14,50.13 RGB1.2 arc(32.83,40.6) 33.06,40.76 ; v1(47.63,53.2) arc(48.07,53.86) 48.22,54.64 48.22,62.99 arc(47.96,64.3) RGB2.4
Net-(RGB2-Pad2): length 54.5
  Top w0.25: v1(48.82,53.2) v1(48.82,51.75)
  Bottom w0.25: v1(48.82,53.2) 48.82,66.45 arc(49.23,68.54) RGB2.2 ; RGB3.4 70.51,30.96 arc(69.84,30.52) 69.06,30.36 68.11,30.36 arc(67.33,30.52) 66.68,30.96 66.08,30.96 arc(65.65,31.04) 65.28,31.29 64.36,32.21 arc(63.11,33.04) 61.64,33.34 59.43,33.34 arc(57.87,33.65) 56.55,34.53 55.52,35.56 arc(50.56,42.99) v1(48.82,51.75)
Net-(RGB3-Pad2): length 25.1
  Top w0.25: v1(86.92,47.86) v1(86.92,46.41)
  Bottom w0.25: RGB3.2 74.23,36.74 arc(74.44,37.79) 75.03,38.68 80.96,44.6 arc(81.67,45.08) 82.5,45.24 84.1,45.24 arc(85.62,45.55) v1(86.92,46.41) ; RGB4.4 86.51,48.85 arc(86.61,48.31) v1(86.92,47.86)
Net-(RGB4-Pad2): length 91.6
  Top w0.25: v1(155.99,47.94) 155.99,49.37 arc(155.98,49.44) v1(155.94,49.49) ; v1(88.11,47.86) v1(88.11,46.41)
  Bottom w0.25: v1(88.11,46.41) 91.59,46.41 arc(93.89,45.95) 95.85,44.65 97.81,42.69 arc(98.27,42.38) 98.82,42.27 99.42,42.27 arc(99.97,42.38) 100.43,42.69 100.61,42.86 arc(100.9,43.06) 101.24,43.13 145.38,43.13 145.89,43.13 146.8,43.13 arc(151.12,43.99) 154.78,46.43 155.78,47.44 arc(155.94,47.67) v1(155.99,47.94) ; v1(155.94,49.49) 155.94,53.78 arc(155.84,54.28) RGB5.4 ; RGB4.2 88.28,57.58 arc(87.71,56.73) 87.51,55.73 87.51,49.3 arc(87.67,48.52) v1(88.11,47.86)
Net-(RGB5-Pad2): length 41
  Top w0.25: v1(157.16,48.22) 157.16,49.59 arc(157.13,49.74) v1(157.05,49.86)
  Bottom w0.25: RGB6.4 171.2,34.02 arc(172.27,35.62) 172.64,37.5 172.64,43.31 arc(172.18,45.65) 170.85,47.63 arc(169.54,48.51) 167.98,48.82 158.6,48.82 arc(157.82,48.66) v1(157.16,48.22) ; v1(157.05,49.86) arc(156.69,50.4) 156.57,51.03 156.57,54.3 arc(157.14,57.17) RGB5.2
Net-(RGB6-Pad2): length 47.3
  Top w0.25: v1(195.18,54.38) 195.18,53.14 arc(195.2,53.03) v1(195.26,52.93)
  Bottom w0.25: v1(195.18,54.38) 195.18,64.64 arc(195.09,65.06) RGB7.4 ; RGB6.2 174.16,38.84 arc(173.48,39.87) 173.24,41.08 173.24,48.57 arc(173.39,49.35) 173.83,50.01 arc(175.15,50.89) 176.71,51.2 188.47,51.2 arc(189.25,51.04) 189.9,50.6 191.44,50.6 arc(192.13,50.74) 192.71,51.12 192.88,51.3 arc(192.97,51.75) 193.23,52.14 arc(194.16,52.76) 195.26,52.98 195.26,52.94 arc(195.26,52.94) v1(195.26,52.93)
Net-(RGB7-Pad2): length 49
  Top w0.25: v1(196.45,54.39) v1(196.45,52.94)
  Bottom w0.25: RGB8.4 213.12,36.65 arc(213.56,37.31) 213.72,38.1 213.72,42.33 arc(212.63,47.77) 209.55,52.39 arc(208.89,52.83) 208.11,52.98 196.55,52.98 arc(196.5,52.97) v1(196.45,52.94) ; v1(196.45,54.39) arc(196.01,55.05) 195.86,55.83 195.86,65.02 arc(196.43,67.88) RGB7.2
Net-(RGB8-Pad2): length 104.2
  Top w0.25: v1(128.59,15.02) v1(128.59,16.92)
  Bottom w0.25: v1(128.59,15.02) arc(128.28,15.22) 127.92,15.29 126.46,15.29 arc(125.4,15.08) RGB9.4 ; v1(128.59,16.92) arc(128.87,16.73) 129.2,16.67 138.07,16.67 arc(139.76,17) 141.19,17.96 148.23,25 arc(152.81,28.06) 158.2,29.13 165.24,29.13 arc(165.42,29.17) 165.57,29.27 165.81,29.5 arc(166.1,29.7) 166.44,29.77 arc(167.22,29.92) 167.88,30.36 arc(169.86,31.68) 172.19,32.15 183.11,32.15 arc(183.89,32.3) 184.55,32.74 arc(185.21,33.18) 185.98,33.34 202.76,33.34 arc(203.53,33.49) 204.19,33.93 arc(204.85,34.37) 205.63,34.53 212.53,34.53 arc(213.08,34.64) 213.54,34.95 213.89,35.3 arc(214.2,35.76) 214.31,36.31 214.31,37.28 arc(214.73,39.37) RGB8.2
Net-(RGB10-Pad4): length 58.8
  Top w0.25: v1(114.3,46.43) v1(114.3,42.4)
  Bottom w0.25: 113.7,34.22 113.7,40.96 arc(113.86,41.74) v1(114.3,42.4) ; RGB9.2 119.51,17.59 arc(118.48,16.91) 117.28,16.67 108.35,16.67 arc(107.93,16.84) 107.75,17.26 arc(107.86,17.81) 108.17,18.28 108.35,18.45 108.35,24.51 arc(108.66,26.07) 109.54,27.38 109.58,27.38 111.57,29.37 arc(113.15,31.74) 113.7,34.53 ; RGB10.4 118.65,56.94 arc(117.52,51.26) v1(114.3,46.43)

## Copper pours and planes (outline as drawn; the poured copper is in the pictures)
GND on Top: 247.4,100.57 253.01,-7.74 -7.74,-7.14 -7.74,100.61
GND on Bottom: 254.2,-8.33 -8.33,-8.33 -7.14,100.01 249.44,100.61

## Text on the board
B.Silkscreen: by: Dr. Higsby
F.Silkscreen: by: Dr. Higsby
